# Altium PCB Dahlia Carrier Board.PcbDoc (part 6 of 10)
Units mm, origin at the board's own origin, x right, y up, seen from the top; angles counter-clockwise.
Board outline 120 x 120 mm, 6 copper layers (Top Layer, GND, Layer 1, Layer 2, GND2, Bottom Layer), stack 1.558 mm thick; 879 components, 677 nets, 3194 pads, 1445 vias.
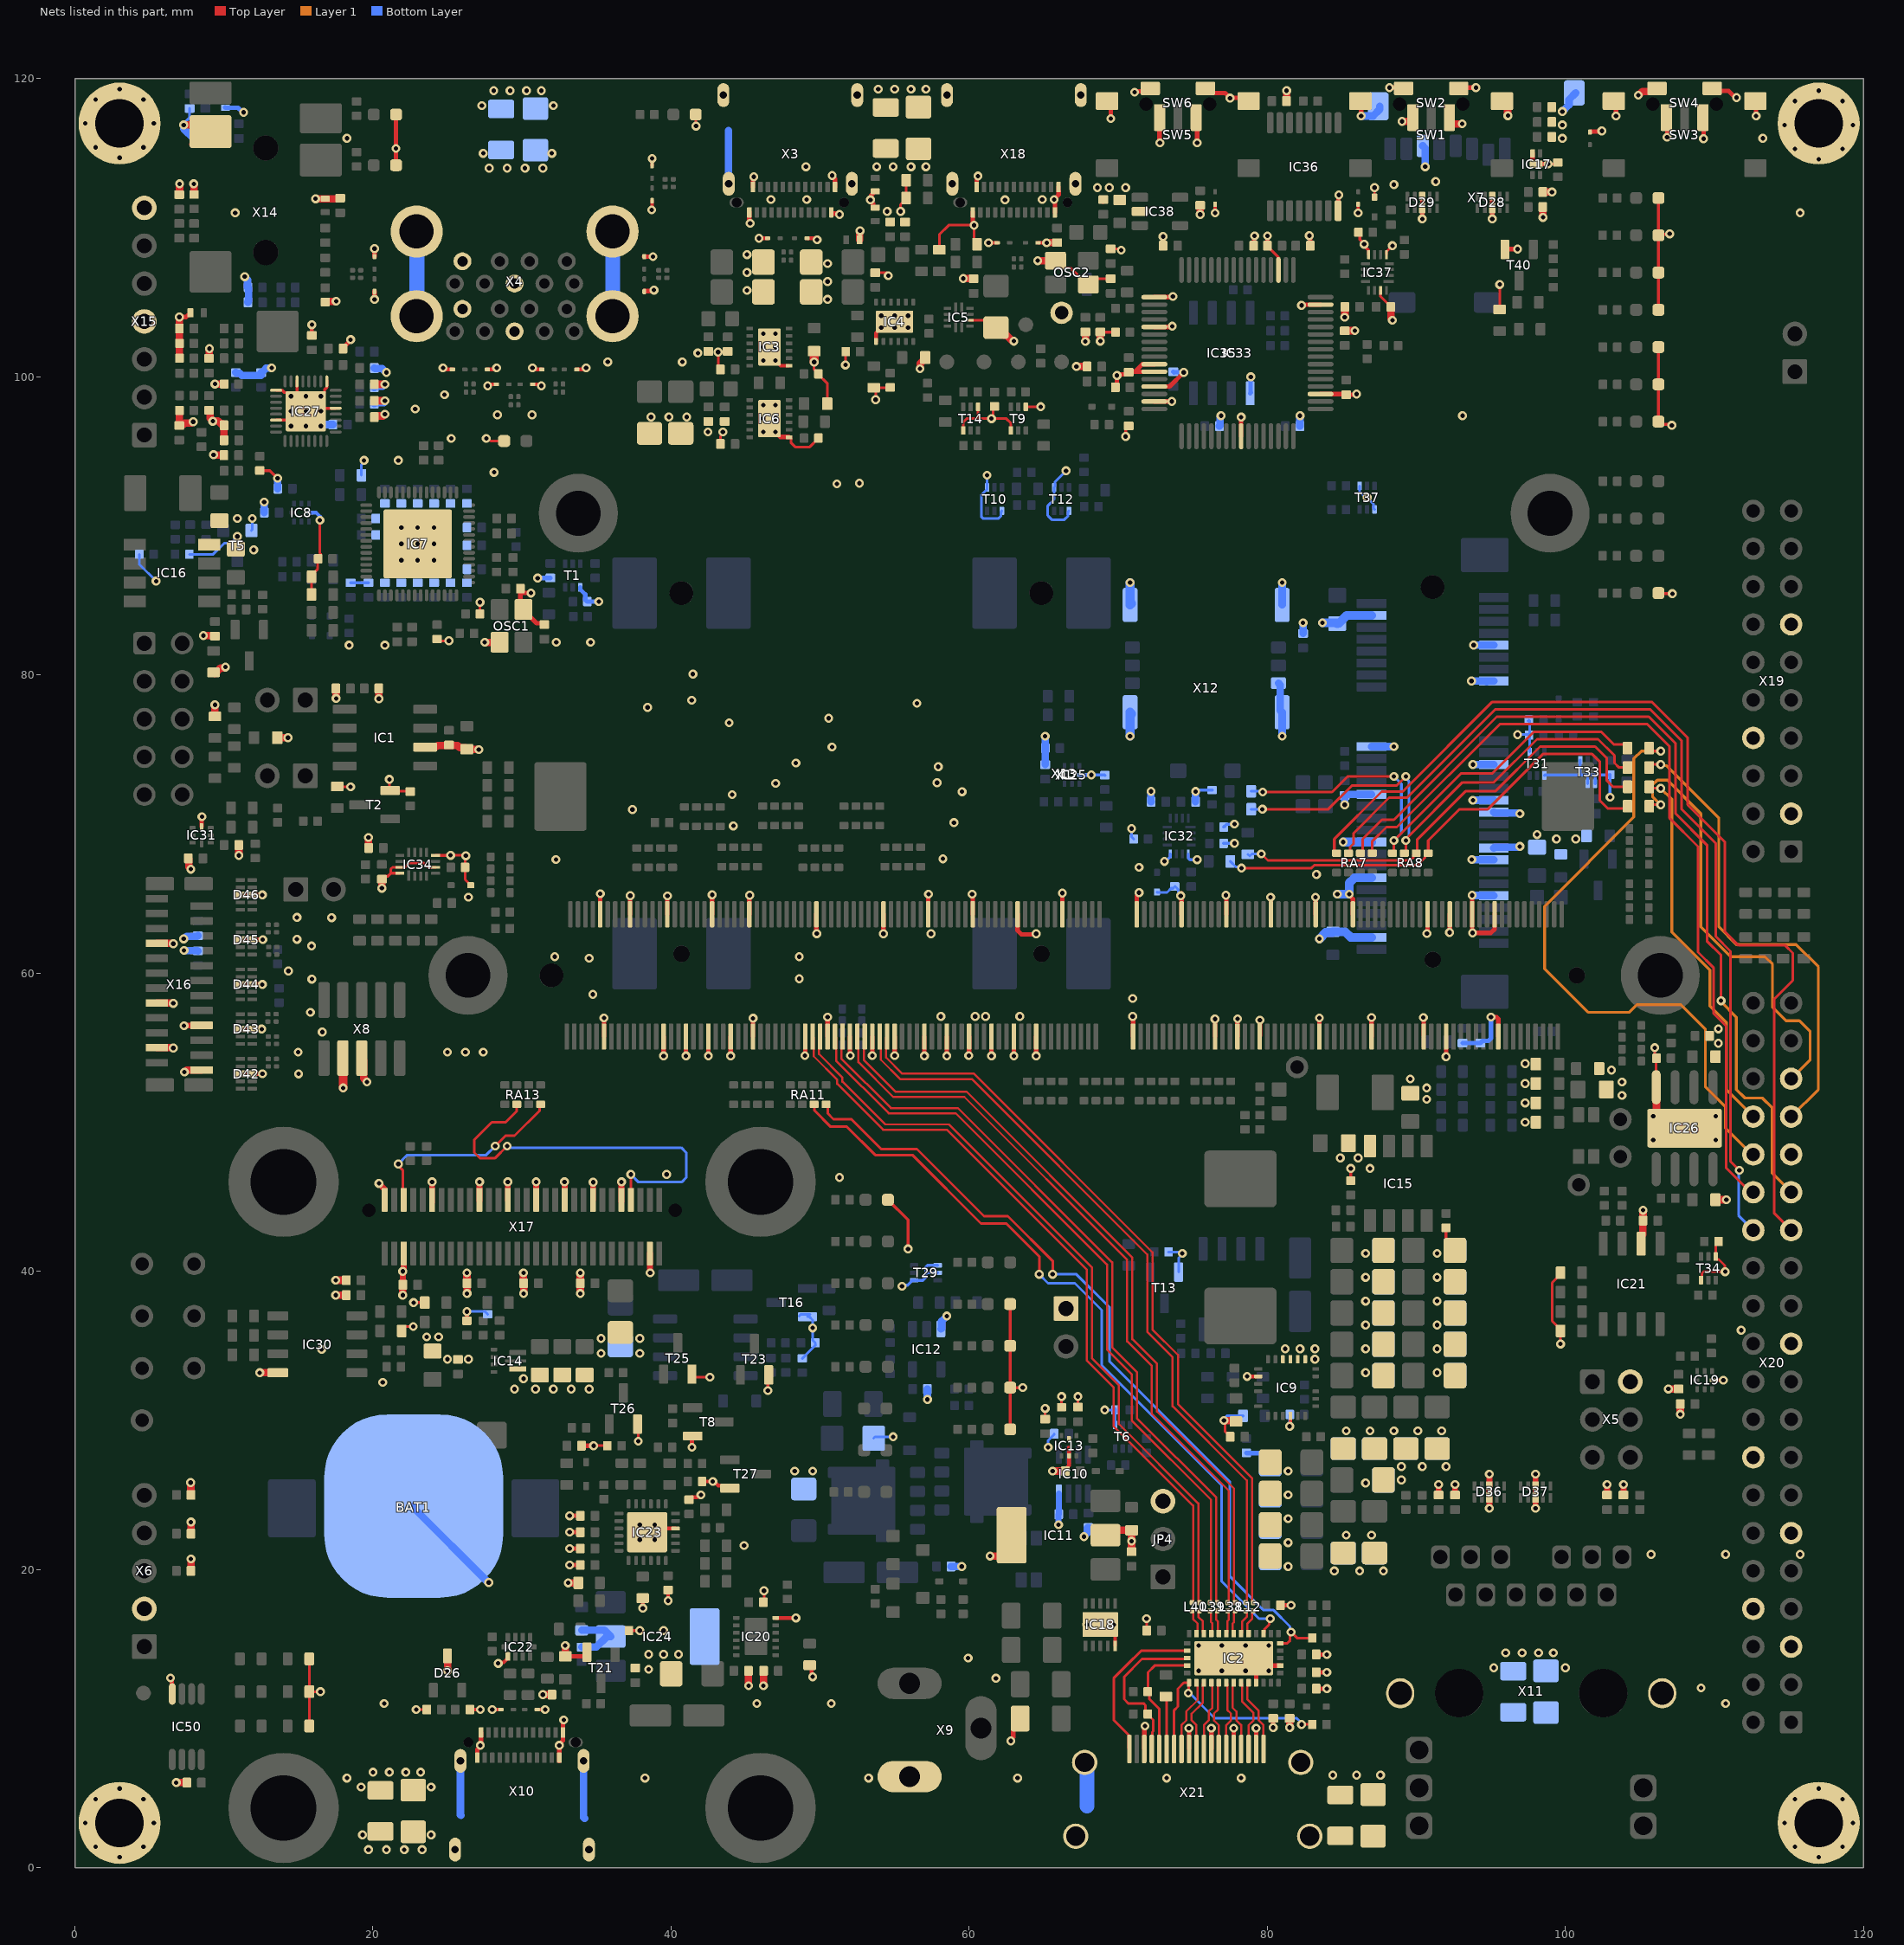
[diagram p10: the nets of this part, all layers, seen from the top]

## Via types
v1: diameter 0.6, hole 0.3, Top Layer to Bottom Layer, tented both sides, 1316 vias
v2: diameter 0.6/0/0/0/0/0.6 (per signal layer), hole 0.3, Top Layer to Bottom Layer, tented both sides, 70 vias
v3: diameter 0.6, hole 0.3, Top Layer to Bottom Layer, 58 vias
v4: diameter 0.6/0.6/0.6/0.6/0.6/0.6 (per signal layer), hole 0.3, Top Layer to Bottom Layer, tented both sides, 1 vias

## Nets (pads, with @x,y where several pads share a name; then routed paths per layer and width w, separated by ;. In a path a pad name is that pad's centre, name@x,y a point inside that pad or via, vN(x,y) a via of type N, cw(c..) or ccw(c..) an arc to the next point about the centre after c; other vN are vias at no path point) (continued)
GND: BAT1.2 C1.1 C2.1 C3.1 C4.1 C6.1 C7.1 C8.2 C9.1 C10.1 C11.1 C12.1 C13.1 C14.1 C15.1 C16.1 C17.1 C18.1 C19.1 C20.1 C21.1 C22.1 C23.1 C24.1 C25.1 C26.1 C27.1 C28.1 C31.1 C32.1 C35.2 C37.2 C39.1 C40.1 C41.1 C42.1 C43.1 C44.1 C45.1 C46.1 C47.1 C48.1 C49.1 C50.1 C51.1 C52.1 C53.1 C54.1 C55.1 C56.1 C58.1 C59.1 C61.2 C62.1 C63.1 C65.1 C66.1 C67.1 C68.1 C69.1 C70.1 C71.1 C72.1 C73.1 C74.1 C76.1 C77.2 C78.1 C79.1 C80.1 C81.1 C82.1 C83.1 C84.1 C85.1 C86.1 C87.1 C89.1 C90.1 C93.1 C95.1 C96.1 C97.1 C98.1 C99.1 C100.1 C101.1 C102.1 C103.1 C104.1 C105.1 C106.1 C107.1 C108.2 C110.1 C111.1 C112.1 C113.2 C114.1 C115.1 C116.1 C117.1 C118.1 C119.1 C120.1 C121.1 C122.1 C123.1 C124.1 C125.2 C126.1 C127.1 C128.1 C129.2 C130.1 C131.1 C132.1 C133.1 C134.2 C135.2 C136.2 C137.2 C138.1 C139.1 C140.1 C141.1 C142.1 C144.1 C145.1 C146.1 C147.1 C148.1 C149.1 C150.1 C151.1 C152.2 C155.1 C156.1 C157.1 C159.1 C161.1 C164.1 C168.1 C169.1 C170.1 C171.1 C173.1 C174.1 C175.1 C176.1 C177.1 C178.1 C179.1 C180.1 C181.1 C182.1 C183.1 C184.1 C185.1 C186.1 C187.1 C188.1 C189.1 C190.1 C191.1 C192.1 C193.1 C194.1 C196.1 C197.1 C198.1 C199.1 C200.1 C201.1 C202.1 C203.1 C204.1 C205.1 C206.1 C207.1 C208.1 C209.1 C210.1 C212.1 C213.1 C214.1 C215.1 C216.2 C218.1 C219.1 C220.1 C221.1 C222.1 C223.1 C225.1 C226.1 C227.1 C228.1 C229.2 C230.1 C231.1 C232.1 C233.1 C234.1 C235.1 C236.1 C237.1 C238.1 C239.1 C240.1 C241.1 C242.1 C243.1 C244.1 C245.1 C246.1 C247.1 C248.1 C249.1 C250.1 C251.1 C252.1 C253.1 C254.1 C255.1 C256.1 C257.1 C258.1 C259.1 C260.1 C261.1 C262.1 C263.1 C264.1 C265.1 C266.1 C267.1 C268.1 C269.1 C270.1 C271.1 C272.1 C273.1 C299.1 D1.1 D2.2 D3.2 D4.1 D5.1 D6.2 D7.2 D8.2 D9.2 D10.2 D11.2 D12.2 D13.2 D14.2 D15.2 D16.2 D17.2 D21.2 D23.2 D25.2 D26.3 D28.3 D28.8 D29.3 D29.8 D32.2 D33.2 D36.3 D36.8 D37.3 D37.8 D39.1 D40.1 D41.1 D42.3 D42.8 D43.3 D43.8 D44.3 D44.8 D45.3 D45.8 D46.3 D46.8 D47.A D48.2 D49.2 D51.A D52.A IC1.2 IC2.27 IC2.32 IC2.37 IC3.7 IC3.13 IC4.7 IC4.13 IC5.10 IC6.7 IC6.13 IC7.57 IC8.4 IC9.4 IC9.12 IC9.13 IC9.14 IC9.15 IC9.19 IC10.4 IC11.2 IC11.4 IC12.3 IC13.2 IC14.1 IC15.4 IC16.4 IC17.2 IC17.5 IC18.5 IC18.11 IC19.4 IC20.6 IC21.6 IC22.6 IC23.10 IC23.25 IC24.2 IC24.4 IC25.4 IC26.8 IC26.9 IC27.5 IC27.9 IC27.14 IC27.17 IC27.22 IC27.33 IC30.4 IC31.4 IC32.5 IC32.8 IC33.1 IC33.5 IC33.10 IC33.11 IC33.13 IC33.15 IC33.25 IC33.35 IC33.47 IC33.51 IC34.6 IC34.8 IC34.15 IC34.16 IC35.5 IC36.8 IC37.5 IC37.8 IC37.15 IC38.2 IC50.4 JP3.1 JP4.3 LED1.K LED2.K LED3.K LED4.K LED5.K LED7.K LED11.K LED14.K LED15.K LED16.K LED21.K LED23.K LED24.K LED25.K LED26.K LED27.K LED28.K OSC1.2 OSC1.4 OSC2.2 OSC2.4 R1.2 R14.2 R16.1 R17.1 R21.2 R23.1 R26.1 R35.1 R36.2 R43.2 R47.1 R50.1 R51.1 R52.1 R55.2 R56.2 R57.1 R65.1 R75.1 R79.1 R84.2 R85.1 R87.1 R91.1 R93.1 R95.2 R96.1 R98.1 R100.1 R103.1 R107.1 R110.1 R111.2 R118.1 R125.1 R126.1 R128.1 R144.1 R147.1 R150.2 R155.2 R163.1 R165.1 R169.1 R170.1 R178.1 R181.1 R190.2 R193.1 R196.1 R207.2 R214.1 R226.1 R233.1 R238.1 R239.1 R242.1 R243.1 R251.1 R252.1 R254.1 R255.1 R256.1 R257.1 R266.1 R282.2 R283.2 R284.2 R285.1 R287.1 R297.1 R298.1 R306.1 R311.1 R330.1 R353.1 R407.1 R409.1 R411.1 SW1.1 SW1.2 SW2.1 SW2.3 SW2.SH1 SW2.SH2 SW3.1 SW3.2 SW4.1 SW4.3 SW4.SH1 SW4.SH2 SW5.1 SW5.2 SW6.1 SW6.3 SW6.SH1 SW6.SH2 T1.1 T2.2 T5.2 T6.1 T8.2 T9.1 T9.4 T10.1 T10.4 T12.1 T12.4 T13.2 T14.1 T14.4 T16.2 T21.2 T23.2 T25.2 T26.2 T27.2 T29.1 T29.2 T29.4 T31.1 T31.4 T33.1 T33.2 T33.4 T34.1 T34.4 T37.1 T37.4 T40.2 TP21.1 X1.10 X1.11 X1.18 X1.27 X1.28 X1.33 X1.39 X1.40 X1.45 X1.50 X1.51 X1.65 X1.68 X1.71 X1.77 X1.83 X1.86 X1.89 X1.97 X1.98 X1.103 X1.109 X1.110 X1.115 X1.121 X1.122 X1.127 X1.134 X1.145 X1.146 X1.158 X1.167 X1.170 X1.173 X1.179 X1.182 X1.194 X1.195 X1.204 X1.209 X1.223 X1.224 X1.229 X1.230 X1.236 X1.242 X1.243 X3.A1 X3.A12 X3.B1 X3.B12 X4.L4 X4.L7 X4.U4 X4.U7 X5.2 X6.2 X7.6 X7.9 X8.3 X8.5 X9.2 X10.A1 X10.A12 X10.B1 X10.B12 X12.G1 X12.G2 X12.G3 X12.G4 X12.S4 X13.4 X13.9 X13.15 X13.18 X13.21 X13.26 X13.27 X13.29 X13.34 X13.35 X13.37 X13.40 X13.43 X13.50 X14.4 X15.4 X15.7 X16.1 X16.4 X16.7 X16.10 X16.18 X17.3 X17.10 X17.16 X17.22 X17.28 X17.34 X17.40 X17.50 X17.55 X17.60 X18.A1 X18.A12 X18.B1 X18.B12 X19.3 X19.8 X19.13 X20.5 X20.8 X20.11 X20.16 X20.21 X20.31 X21.2 X21.5 X21.8 X21.11 X21.17 | length 603.9
  Top Layer w0.15: D52.A@87.2,112.06 v1(87.2,112.7)
  Top Layer w0.175: R407.1@15.725,9.5 R409.1@15.725,11.8 ; R411.1@15.725,14 R409.1@15.725,11.8 ; R50.1@15.875,85.4 R47.1@15.875,86.6 15.875,86.7 16.3,87.125 R36.2@16.3,87.78 ; R36.2@16.32,87.8 16.254,87.866 16.5,88.112 16.437,88.175 v1(16.437,90.385) ; v1(16.475,11.8) R409.1@15.725,11.8 ; R1.2@17.6,72.525 17.625,72.5 v1(18.5,72.5) ; T2.2@21.071,72.271 21.128,72.215 22.465,72.215 R43.2@22.5,72.18 ; v1(21.1,73) 21.1,72.3 T2.2@21.15,72.25 ; 21.2,66.7 21.2,66.997 21.303,67.1 IC34.15@21.8,67.1 21.812,67.112 22.148,67.112 22.436,67.4 23.4,67.4 23.7,67.1 IC34.6@24.2,67.1 ; R266.1@21.925,36 21.925,36.063 22.162,36.3 v1(22.7,36.3) ; v1(22.9,10.6) C128.1@23.61,10.6 ; v1(25.205,67.907) 25.205,67.905 25.2,67.9 26.077,67.9 26.18,67.797 R311.1@26.18,67.1 26.18,66.277 26.408,66.05 26.408,66.012 26.52,65.9 D51.A@26.56,65.9 ; R51.1@27.18,84.1 v1(27.18,84.88) ; v1(27.6,95.875) 27.715,95.875 27.89,95.7 LED5.K@28.8,95.7 ; T21.2@34.138,14.91 34.35,14.697 T21.2@34.35,14.45 ; v1(34.8,28.3) R178.1@35.72,28.3 ; R163.1@37.18,15.9 v1(37.9,15.9) ; T26.2@37.75,29.75 37.8,29.7 v1(37.8,28.6) ; T25.2@41.4,33.1 41.6,32.9 v1(42.6,32.9) ; LED2.K@41.65,117.6 41.662,117.587 41.662,116.837 v1(41.675,116.825) ; C186.1@43.31,95.5 43.31,96.024 43.477,96.191 v1(43.477,96.306) ; C117.1@46.19,17.8 46.25,17.86 46.234,17.876 v1(46.234,18.574) ; T23.2@46.55,33.05 T23.2@46.6,33 ; IC6.7@47.92,95.95 48.02,95.95 48.058,95.913 48.058,95.567 48.325,95.3 49.305,95.3 49.88,95.875 R65.1@49.88,95.9 ; v1(49.6,101) 49.6,100.505 49.88,100.225 R98.1@49.88,100.2 49.88,100.175 50.475,99.58 C58.1@50.475,98.2 ; v1(51.7,100.8) 51.72,100.82 R14.2@51.72,101.7 ; C15.1@53.7,106.99 54.472,106.99 54.575,106.887 v1(54.575,106.788) ; v1(53.725,98.475) 53.725,99.15 R17.1@53.6,99.275 54.68,99.275 R16.1@54.7,99.295 ; v1(55.4,111.1) 55.4,111.56 55.503,111.662 55.537,111.662 55.775,111.9 R298.1@55.775,112 R297.1@55.775,113.2 ; R111.2@58,108.525 58,109.55 58.625,110.175 v1(60.325,110.175) ; T14.1@59.6,96.41 59.6,96.958 59.842,97.2 60.6,97.2 ; R21.2@60.525,108.9 60.34,109.085 v1@60.34,110.175 ; T14.4@60.6,97.99 60.6,97.2 ; R147.1@61.7,98.02 61.6,97.92 61.6,97.415 61.5,97.315 v1(61.5,97.2) ; T9.1@62.8,96.41 62.8,96.9 62.5,97.2 v1(61.5,97.2) ; T9.4@63.8,97.99 63.8,97.95 63.85,98 v1(64.8,98) ; v1@65.1,30.9 v1(65.1,30.8) C80.1@65.1,30.09 C80.1@65.11,30.1 ; R85.1@66.145,30.9 66.165,30.88 R85.1@66.2,30.88 v1(66.2,31.6) ; C78.1@67.3,30.89 67.3,31.401 67.499,31.6 v1(67.3,31.6) ; v1@71.855,16.7 v1(71.9,16.7) 71.909,16.691 C108.2@71.91,15.9 ; v1(77.1,30) 77.119,29.981 77.181,29.919 77.181,29.245 77.284,29.143 77.308,29.143 77.51,28.94 C76.1@77.51,28.9 ; IC9.4@81.54,30.29 IC9.4@81.55,30.3 ; v1(86.6,36.4) v1@86.607,36.4 ; IC37.15@87.6,105.8 87.602,105.798 87.602,105.398 88.057,104.943 88.087,104.943 88.29,104.74 C219.1@88.29,104.7 ; C69.1@87.797,37.2 87.822,37.175 C69.1@87.822,37.03 ; IC37.5@88,108.2 88,108.4 v1(88.4,108.8) ; R353.1@95.6,104.525 95.6,105.985 95.4,106.185 95.415,106.2 v1(95.6,106.2) ; v1(98.85,114.275) 99.395,114.275 R128.1@99.5,114.38 ; v1(99.675,35.125) R155.2@99.675,36 99.675,36.1 99.112,36.663 99.112,39.238 99.675,39.8 R150.2@99.675,39.9 ; v1(106,55) 106,54.415 R238.1@106.12,54.295 106.095,54.27 IC26.8@106.095,53.173 ; IC26.8@106.095,52.345 IC26.8@106.095,52.35 ; T34.4@109.1,39.41 109.162,39.472 109.162,39.863 109.275,39.975 v1(110.725,39.975) 110.697,40.003 110.697,40.393 110.297,40.793 110.162,40.793 110.1,40.855 T34.1@110.1,40.99 110.1,41.82 R239.1@110.28,42 ; v1(60.325,110.175) v1@60.34,110.175 ; v1(60.325,110.175) v1@60.34,110.175 ; 60.6,97.2 v1(61.5,97.2)
  Top Layer w0.2: R251.1@12.4,93.72 13.08,93.72 v1(13.6,93.2) ; IC27.22@13.5,97.1 14.85,97.1 IC27.33@15.475,97.725 ; IC27.17@13.5,99.1 13.905,99.1 14.055,98.95 14.25,98.95 14.475,98.725 14.525,98.725 IC27.33@14.9,98.35 ; IC27.14@14.9,99.75 IC27.14@14.9,99.7 IC27.33@14.9,98.35 ; IC27.33@15.5,97.75 IC27.33@14.9,98.35 ; IC27.33@15.675,97.925 16.475,98.725 16.525,98.725 16.75,98.95 16.75,99.15 16.9,99.3 IC27.9@16.9,99.7 IC27.9@16.9,99.75 ; IC27.33@15.7,97.9 IC27.5@17.5,97.9 ; C214.1@20.6,66.31 20.703,66.413 20.803,66.413 20.89,66.5 21,66.5 21.2,66.7 21.6,66.7 IC34.16@21.8,66.7 ; v1(22.725,37.9) R95.2@23.475,37.9 ; IC34.8@24.2,67.9 24.459,67.9 v1@25.2,67.9 ; R52.1@24.3,82.42 24.436,82.284 24.908,82.284 24.992,82.2 25.092,82.3 25.1,82.292 v1(25.1,82.3) ; v1(43.153,101.662) 43.17,101.645 43.17,100.64 C273.1@43.31,100.5 ; v1(46.5,32) 46.5,32.5 46.7,32.7 46.5,32.9 T23.2@46.6,33 ; LED11.K@54.55,44.8 55.9,43.45 v1(55.9,41.5) ; IC5.10@60.05,103.8 61.303,103.8 C17.1@61.8,103.303 ; LED1.K@62.75,29.4 LED14.K@62.75,32.2 ; LED16.K@62.75,37.8 LED15.K@62.75,35 LED14.K@62.75,32.2 ; v1(63.6,32.2) LED14.K@62.75,32.2 ; OSC2.4@65.8,107.8 66.288,107.312 66.788,107.312 67.9,106.2 OSC2.2@68,106.2 68.385,106.585 69.495,106.585 C218.1@69.5,106.59 ; C200.1@68.8,103.01 69.81,103.01 R306.1@69.82,103 ; C216.2@69.5,108.59 70.11,108.59 v1(70.2,108.5) ; v1(70.5,96) 70.5,96.51 C210.1@70.7,96.71 ; C208.1@80.01,108.8 80.01,108.76 80.2,108.57 80.204,108.57 80.731,108.043 80.731,107.194 IC33.51@80.75,107.175 ; R100.1@85.6,46.08 v1(85.6,46.9) ; v1(86.1,111) D21.2@86.1,111.58 ; R330.1@86.12,109.7 86.223,109.597 86.223,109.217 86.5,108.94 v1(86.5,108.9) v1@86.3,108.9 ; v1@86.45,108.85 IC37.8@86.8,108.5 ; IC37.8@86.8,108.2 IC37.8@86.8,108.4 ; R103.1@92,42.92 92,41.997 C246.1@92.597,41.4 ; LED21.K@106.25,85.5 106.291,85.459 v1(107.18,85.459) ; LED24.K@106.25,102 LED23.K@106.25,99.5 LED28.K@106.25,97 106.423,96.827 107.073,96.827 v1(107.15,96.75) ; LED25.K@106.25,104.5 LED26.K@106.25,107 LED27.K@106.25,109.5 ; LED7.K@106.25,112 LED27.K@106.25,109.5 ; v1(107,109.6) 106.95,109.55 106.3,109.55 LED27.K@106.25,109.5
  Top Layer w0.25: v3(15.5,97.7) IC27.33@15.7,97.9 ; C178.1@15.9,102.79 v1(15.9,103.5) ; v1(24.7,100.6) 24.795,100.6 24.895,100.5 D6.2@25.33,100.5 ; C127.1@26.5,10.6 v1(27.2,10.6) ; D7.2@27.67,100.5 28.105,100.5 28.205,100.6 v1(28.3,100.6) ; v1(27.7,99.4) 27.781,99.4 27.881,99.5 D11.2@28.28,99.5 ; v1(28,10.6) D32.2@28.58,10.6 ; v1(28.4,13.7) 28.467,13.767 28.767,13.767 28.995,13.995 29.025,13.995 29.05,14.02 IC22.6@29.05,14.16 ; v1(30.7,100.6) 30.795,100.6 30.895,100.5 D8.2@31.3,100.5 ; D10.2@30.72,99.5 31.119,99.5 31.219,99.4 v1(31.3,99.4) ; D33.2@31.02,10.6 v1(31.55,10.6) ; D9.2@33.67,100.5 34.105,100.5 34.205,100.6 v1(34.3,100.6) ; v1(38.1,17.4) R170.1@38.1,18.075 ; IC23.25@38.4,22.5 38.65,22.75 IC23.10@40.3,22.75 ; v1(38.7,111.2) 38.725,111.225 D16.2@38.725,111.83 ; D17.2@38.725,114.17 v1@38.725,114.73 ; v1(39.8,17.9) R190.2@39.8,18.62 ; R181.1@41.2,24.68 41.36,24.84 41.745,24.84 41.905,25 v1(42,25) ; R196.1@42.08,25.9 v1(42.8,25.9) 42.867,25.833 42.967,25.833 43.175,25.625 43.775,25.625 T27.2@43.95,25.45 ; v1(45.9,109.3) D2.2@46.48,109.3 ; IC3.13@46.6,102 46.6,101.5 47.35,100.75 IC3.7@47.92,100.75 ; IC20.6@47.02,16.75 v1(48.375,16.75) ; D3.2@49.12,109.3 49.605,109.3 49.705,109.2 v1(49.8,109.2) ; R165.1@49.3,13.575 49.433,13.442 49.433,12.867 v1(49.5,12.8) ; IC4.7@53.75,102.38 53.75,102.95 v3(54.1,103.3) 54.6,103.3 IC4.13@55,103.7 ; v1(61.3,109) D49.2@61.88,109 ; D48.2@64.62,109 v1(65.2,109) ; C79.1@66.46,26.74 66.7,26.98 IC13.2@66.7,27.625 66.7,28.2 ; IC18.11@68.8,16.3 v1(69.7,16.3) 69.8,16.2 IC18.5@69.8,14.875 ; v1(76.5,111) D25.2@76.5,111.58 ; v1(78.65,32.95) IC9.19@79.4,32.95 ; v1(81.501,29.599) 81.55,29.648 IC9.4@81.55,30.3 ; IC19.4@109.92,32.7 v1(110.6,32.7)
  Top Layer w0.3: v1(6.412,12.716) 6.412,12.635 6.502,12.544 6.502,11.677 IC50.4@6.531,11.648 ; v1@7.1,104 7.118,104.018 7.468,104.018 7.6,104.15 7.7,104.15 7.75,104.2 D41.1@7.75,104.3 ; IC31.4@8.5,69.825 8.513,69.838 8.513,70.488 v1(8.525,70.5) ; D42.3@11.125,53.25 D42.8@11.925,53.25 ; D43.3@11.125,56.25 D43.8@11.925,56.25 ; D44.3@11.125,59.25 D44.8@11.925,59.25 11.93,59.245 12.571,59.245 v1(12.576,59.24) ; D45.3@11.125,62.25 D45.8@11.925,62.25 ; D46.3@11.125,65.25 D46.8@11.925,65.25 v1(12.575,65.25) ; D42.8@11.925,53.25 v1@12.581,53.251 ; D43.8@11.925,56.25 v1(12.532,56.251) ; D45.8@11.925,62.25 v1@12.608,62.249 ; C175.1@17.99,101.9 17.99,101.94 18.5,102.45 v1(18.5,102.5) ; v1(20.1,105.2) D13.2@20.1,105.73 ; D12.2@20.1,108.07 v1(20.1,108.6) ; LED3.K@21.55,114.2 21.55,115 21.537,115.013 v1(21.537,115.325) 21.537,117.588 LED4.K@21.55,117.6 ; R91.1@26.3,36.68 v1(26.3,37.3) ; X10.B12@27,7.366 27,7.919 27.2,8.119 v1(27.2,8.2) 27.2,8.281 27.25,8.331 X10.A1@27.25,9.066 ; v1(30.6,85.5) 29.89,85.5 29.89,84.21 30.25,83.85 30.6,83.85 30.973,83.477 31.413,83.477 C35.2@31.5,83.39 ; X10.B1@32.5,7.159 X10.B1@32.5,7.366 v1(32.5,8.2) 32.5,8.276 32.75,8.526 X10.A12@32.75,9.066 32.75,9.85 v1(32.8,9.9) ; C111.1@32.9,14.175 34.2,14.175 34.35,14.325 T21.2@34.35,14.45 ; v1(33.2,20.3) C126.1@33.91,20.3 ; v1(33.2,21.4) C61.2@33.91,21.4 ; v1(33.2,22.5) C124.1@33.91,22.5 ; v1(33.2,23.6) C125.2@33.91,23.6 ; C129.2@33.99,28.3 v1(34.8,28.3) ; X1.10@35.25,64.05 v1(35.25,65.325) ; X1.11@35.5,55.75 v1(35.5,57) ; X1.18@37.25,63.95 v1@37.25,65.175 ; D14.2@38.2,105.73 38.2,105.735 38.225,105.76 38.785,105.76 v1(38.85,105.825) ; D15.2@38.2,108.07 38.194,108.064 v1(38.785,108.064) ; v1@39.5,54.5 39.5,54.463 X1.27@39.5,55.75 ; X1.28@39.75,63.95 39.75,65.173 v1(39.762,65.186) ; v1@41,54.538 X1.33@41,55.825 ; v1(41.4,28.2) 41.4,28.8 41.5,28.9 T8.2@41.45,28.95 ; v1@42.5,54.5 v1(42.5,54.45) 42.5,54.375 X1.39@42.5,55.75 ; X1.40@42.75,63.95 42.75,65.245 v1(42.758,65.253) ; v1@44,54.5 v1(44,54.45) 44,54.4 X1.45@44,55.75 ; X1.50@45.25,63.95 45.25,65.2 v1(45.275,65.225) ; X3.A12@45.25,111.04 45.25,110.35 v1(45.3,110.3) ; X1.51@45.5,55.75 v1(45.5,56.975) ; X3.B1@45.5,112.74 45.5,113.375 v1(45.55,113.425) ; IC6.13@46.6,97.2 46.6,96.7 47.325,95.975 47.895,95.975 IC6.7@47.92,95.95 ; v1(48.978,54.475) 49,54.497 X1.65@49,55.75 ; X1.68@49.75,63.95 49.75,63.4 49.75,62.675 v1(49.775,62.65) ; X1.71@50.5,55.75 v1@50.5,57.187 ; X3.A1@50.75,111.04 50.75,110.957 51.243,110.957 v1(51.3,110.9) ; v1(50.809,113.509) 50.809,113.506 50.815,113.5 50.857,113.542 50.857,113.417 51,113.274 51,113.002 X3.B12@51,112.74 ; X1.77@52,55.75 52,54.522 v1@52.022,54.5 ; v1(53.5,54.475) 53.5,54.972 X1.83@53.5,55.75 ; D4.1@53.7,111.327 53.623,111.327 53.55,111.4 53.55,111.619 53.375,111.794 v1(53.375,111.875) 53.432,111.932 53.432,112.182 53.55,112.3 53.55,112.4 53.6,112.45 D5.1@53.7,112.45 ; v1(54.25,62.64) X1.86@54.25,63.95 ; v1(55,54.475) 55,54.972 X1.89@55,55.75 ; v1@57,54.5 56.977,54.5 56.934,54.543 57,54.609 X1.97@57,55.75 ; X1.98@57.25,63.95 57.25,65.275 v1(57.275,65.3) ; v1@58.5,54.609 X1.103@58.5,55.75 ; v1@60,54.609 X1.109@60,55.75 ; v1(60.2,65.3) 60.25,65.25 X1.110@60.25,63.95 ; X18.A12@60.25,111.04 60.25,110.331 60.325,110.256 v1(60.325,110.175) ; X18.B1@60.5,112.74 60.5,113.304 60.59,113.394 v1(60.59,113.475) ; v1@61.5,54.609 X1.115@61.5,55.75 ; v1(62.8,8.5) 62.8,8.581 62.954,8.735 62.954,9.529 R144.1@63.425,10 ; v1@63,54.609 X1.121@63,55.75 ; X1.122@63.25,63.95 63.25,62.862 63.512,62.6 64.459,62.6 v1(64.499,62.64) ; v1@64.5,54.609 X1.127@64.5,55.75 ; X18.A1@65.75,111.04 65.75,111.972 66.004,112.226 66.004,112.474 66,112.478 X18.B12@66,112.74 ; X1.134@66.25,63.95 v1(66.25,65.375) ; OSC2.2@68.2,106.2 OSC2.2@68.3,106.2 ; SW5.2@69.25,118.5 69.35,118.5 69.5,118.35 v1(69.5,117.325) ; C201.1@69.81,99.3 69.918,99.408 v1(69.918,100.093) 69.995,100.17 70.56,100.17 C198.1@70.7,100.31 70.74,100.35 IC33.11@72.425,100.35 ; v1(70.975,57.1) 71,57.075 X1.145@71,55.75 ; v1(71.1,119.1) 71.157,119.157 71.957,119.157 SW6.SH2@72.15,119.35 ; 71.225,100.45 71.625,100.85 IC33.10@72.425,100.85 ; X1.146@71.25,63.95 71.25,65.169 71.4,65.319 v1(71.4,65.4) ; X21.17@71.75,7.956 71.75,8.007 71.752,8.009 71.752,9.498 71.754,9.5 v1(71.8,9.5) ; IC33.15@72.425,98.35 v1(73.6,98.35) ; IC33.13@72.425,99.35 73.45,99.35 v1(74.4,100.3) ; IC33.5@72.425,103.35 73.575,103.35 v1(73.625,103.4) ; IC33.1@72.425,105.35 73.625,105.35 v1(73.675,105.4) ; SW6.3@72.775,117.4 72.775,115.725 v1(72.8,115.7) ; C203.1@73,108.81 C203.1@73.01,108.8 v1(73.01,109.415) ; X1.158@74.25,63.95 v1@74.25,65.35 ; v1(74.747,9.35) 74.747,9.334 74.752,9.329 74.752,8.083 74.75,8.081 X21.11@74.75,7.956 ; SW6.1@75.225,117.4 75.3,117.325 v1(75.3,115.7) ; SW6.SH1@75.85,119.35 75.95,119.35 76.004,119.296 76.004,119.196 76.15,119.05 77.174,119.05 77.499,118.725 78.56,118.725 78.56,118.69 SW5.1@78.75,118.5 ; v1(76.247,9.35) 76.247,9.334 76.252,9.329 76.252,8.083 76.25,8.081 X21.8@76.25,7.956 ; v1(76.492,56.927) 76.5,56.919 X1.167@76.5,55.75 ; v1(77.225,65.225) 77.25,65.2 X1.170@77.25,63.95 ; v1(77.5,118.7) v1@77.5,118.724 ; X21.5@77.75,7.956 77.75,8.007 77.752,8.009 77.752,9.293 77.753,9.294 v1(77.753,9.35) ; IC2.37@77.75,14.05 78.25,13.55 IC2.37@78.8,13.55 ; X1.173@78,55.75 78,56.922 v1(78.015,56.937) ; IC33.25@78.25,96.025 v1(78.25,97.3) ; C207.1@79.09,108.8 79.12,108.83 79.12,109.43 v1(79.15,109.46) ; X21.2@79.25,7.956 79.25,8.007 79.252,8.009 79.252,9.325 79.253,9.326 v1(79.253,9.35) ; IC2.27@79.25,12.4 79.25,13.1 IC2.37@78.8,13.55 ; X1.179@79.505,55.825 79.507,55.827 v1(79.507,56.856) ; C208.1@80.01,108.8 v1(80.01,109.46) ; v1(80.225,65.1) 80.25,65.075 X1.182@80.25,63.95 ; v1(80.4,9.4) C151.1@80.4,10.01 ; IC2.32@80.875,13.55 IC2.37@78.8,13.55 ; C152.2@80.89,17.6 v1(81.6,17.6) ; v1(82.3,104.8) 82.35,104.85 IC33.47@83.575,104.85 ; v1(82.825,109.475) 82.89,109.41 C209.1@82.89,108.8 ; v1(83.242,65.101) 83.25,65.092 X1.194@83.25,63.95 ; C9.1@83.29,12 v1(84,12) ; C8.2@83.29,13.1 v1(84,13.1) ; C7.1@83.29,14.3 83.297,14.293 83.993,14.293 v1(84,14.286) ; X1.195@83.5,55.75 v1(83.5,57) ; IC33.35@83.575,98.85 C202.1@85.24,98.85 ; IC36.8@84.75,111.15 84.775,111.175 84.775,112.175 v1(84.8,112.2) ; C202.1@85.3,98.81 85.96,98.81 v1(86,98.85) ; v1(85.5,65.3) 85.5,65.219 85.75,64.969 X1.204@85.75,63.95 ; SW1.2@86.25,118.5 86.3,118.45 v1(86.3,117.5) ; X1.209@87,55.75 v1(87,57.025) ; v1(88.2,119.4) 89.55,119.4 SW2.SH2@89.65,119.3 ; SW2.SH2@89.15,119.35 SW2.SH2@89.25,119.35 ; v1(90.4,110.6) 90.4,110.49 90.408,110.483 90.408,111.317 D29.3@90.4,111.325 D29.8@90.4,112.125 ; v1(90.475,57.025) 90.5,57 X1.223@90.5,55.75 ; v1(90.713,62.659) 90.75,62.696 X1.224@90.75,63.95 ; v1(92,54.4) X1.229@92,55.75 ; v1@92.23,62.7 v1(92.23,62.728) ; v1@92.25,62.777 X1.230@92.25,63.95 ; v1@92.3,62.77 v1@92.35,62.72 ; SW2.SH1@92.85,119.35 92.9,119.4 v1(94,119.4) ; v1(93.75,65.225) X1.236@93.75,63.95 93.75,62.723 v1(93.773,62.7) 95,62.7 95.25,62.95 X1.242@95.25,63.95 ; v1(95.008,57.056) 95.387,57.056 95.5,56.943 X1.243@95.5,55.75 ; v1(95.1,110.6) D28.3@95.1,111.325 D28.8@95.1,112.125 ; T40.2@95.95,108.55 95.975,108.575 v1(96.8,108.575) ; IC17.2@97.8,115 97.8,114.375 97.9,114.275 IC17.5@98.05,114.275 v1(98.85,114.275) ; D23.2@101.7,116.42 101.7,116.425 101.725,116.45 102.4,116.45 v1(102.45,116.5) ; SW3.2@103.25,118.5 103.4,118.35 v1(103.4,117.5) ; SW4.3@106.775,117.4 106.837,117.338 106.837,116.087 v1(106.825,116.075) ; SW4.1@109.225,117.4 109.287,117.338 109.287,115.987 v1(109.275,115.975) ; SW4.SH1@109.85,119.35 110.006,119.194 110.95,119.194 111.406,118.737 v1(111.488,118.737) ; SW3.1@112.75,118.5 112.8,118.45 v1(112.8,117.5)
  Top Layer w0.4: v1(7.323,56.474) 7.338,56.49 8.49,56.49 X16.7@8.5,56.5 ; v1(20.4,45.9) 20.793,45.507 X17.60@20.793,44.8 ; C234.1@22.005,39.095 22.005,39.995 v1(22,40) 22,40.054 22.063,40.117 X17.55@22.063,41.2 ; X17.50@23.968,44.631 X17.50@23.968,44.8 v1@23.968,45.95 ; X17.40@27.143,44.724 X17.40@27.143,44.8 27.143,45.903 27.1,45.946 27.15,45.996 v1(27.15,46) ; X17.34@29.048,44.768 X17.34@29.048,44.8 29.048,45.898 29,45.946 29.05,45.996 v1(29.05,46) ; v1(30.95,46) 30.95,45.996 30.9,45.946 30.953,45.893 X17.28@30.953,44.8 X17.28@30.953,44.687 ; v1(32.85,46) 32.85,45.996 32.8,45.946 32.858,45.888 X17.22@32.858,44.8 ; X17.16@34.763,44.8 34.763,45.883 34.7,45.946 34.75,45.996 34.771,45.975 v1(34.775,45.975) ; X17.10@36.668,44.67 X17.10@36.668,44.8 36.668,45.878 36.6,45.946 36.654,46 v1(36.675,46) ; X17.3@38.573,41.228 X17.3@38.573,41.2 38.573,39.927 v1(38.6,39.9) ; C134.2@91.5,24.99 v1(91.5,25.7) ; C135.2@92.6,24.99 v1(92.6,25.7) ; v1(94.9,24.1) D36.3@94.9,24.825 D36.8@94.9,25.625 v1(94.9,26.4) ; v1(98,24.1) D37.3@98,24.825 D37.8@98,25.625 ; D37.8@98,25.625 98,26.357 v1(98,26.4) ; C136.2@102.8,25.03 v1(102.8,25.7) ; C137.2@103.9,24.99 v1(103.9,25.7)